# Altium PCB opu010_pcb.PcbDoc
Units mm, origin at the board's own origin, x right, y up, seen from the top; angles counter-clockwise.
Board outline 72 x 63 mm, 2 copper layers (Top Layer, Bottom Layer); 80 components, 69 nets, 303 pads, 340 vias.
Unrouted connection lines stored in the file: 69.
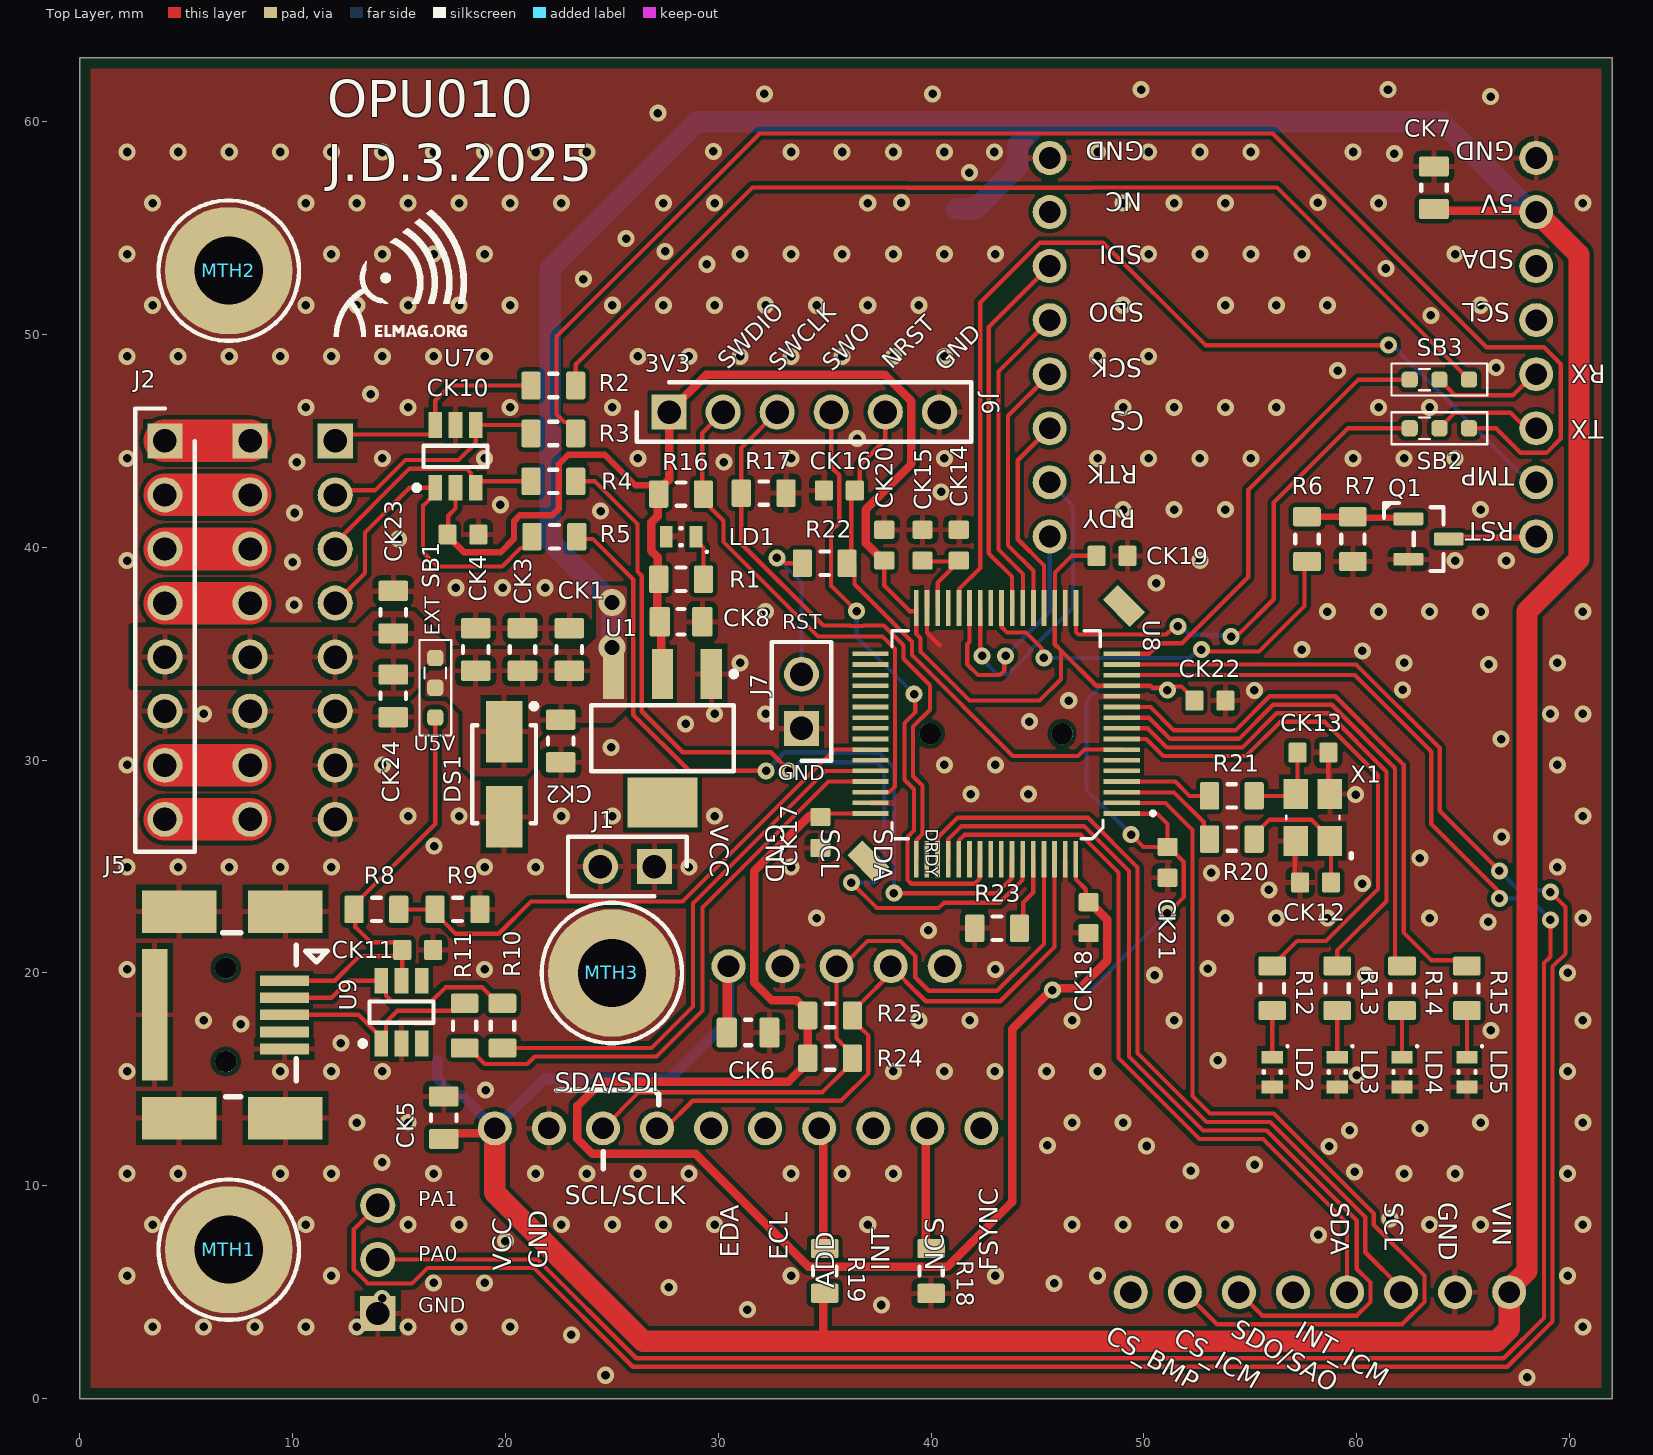
[diagram p0: Top Layer view]
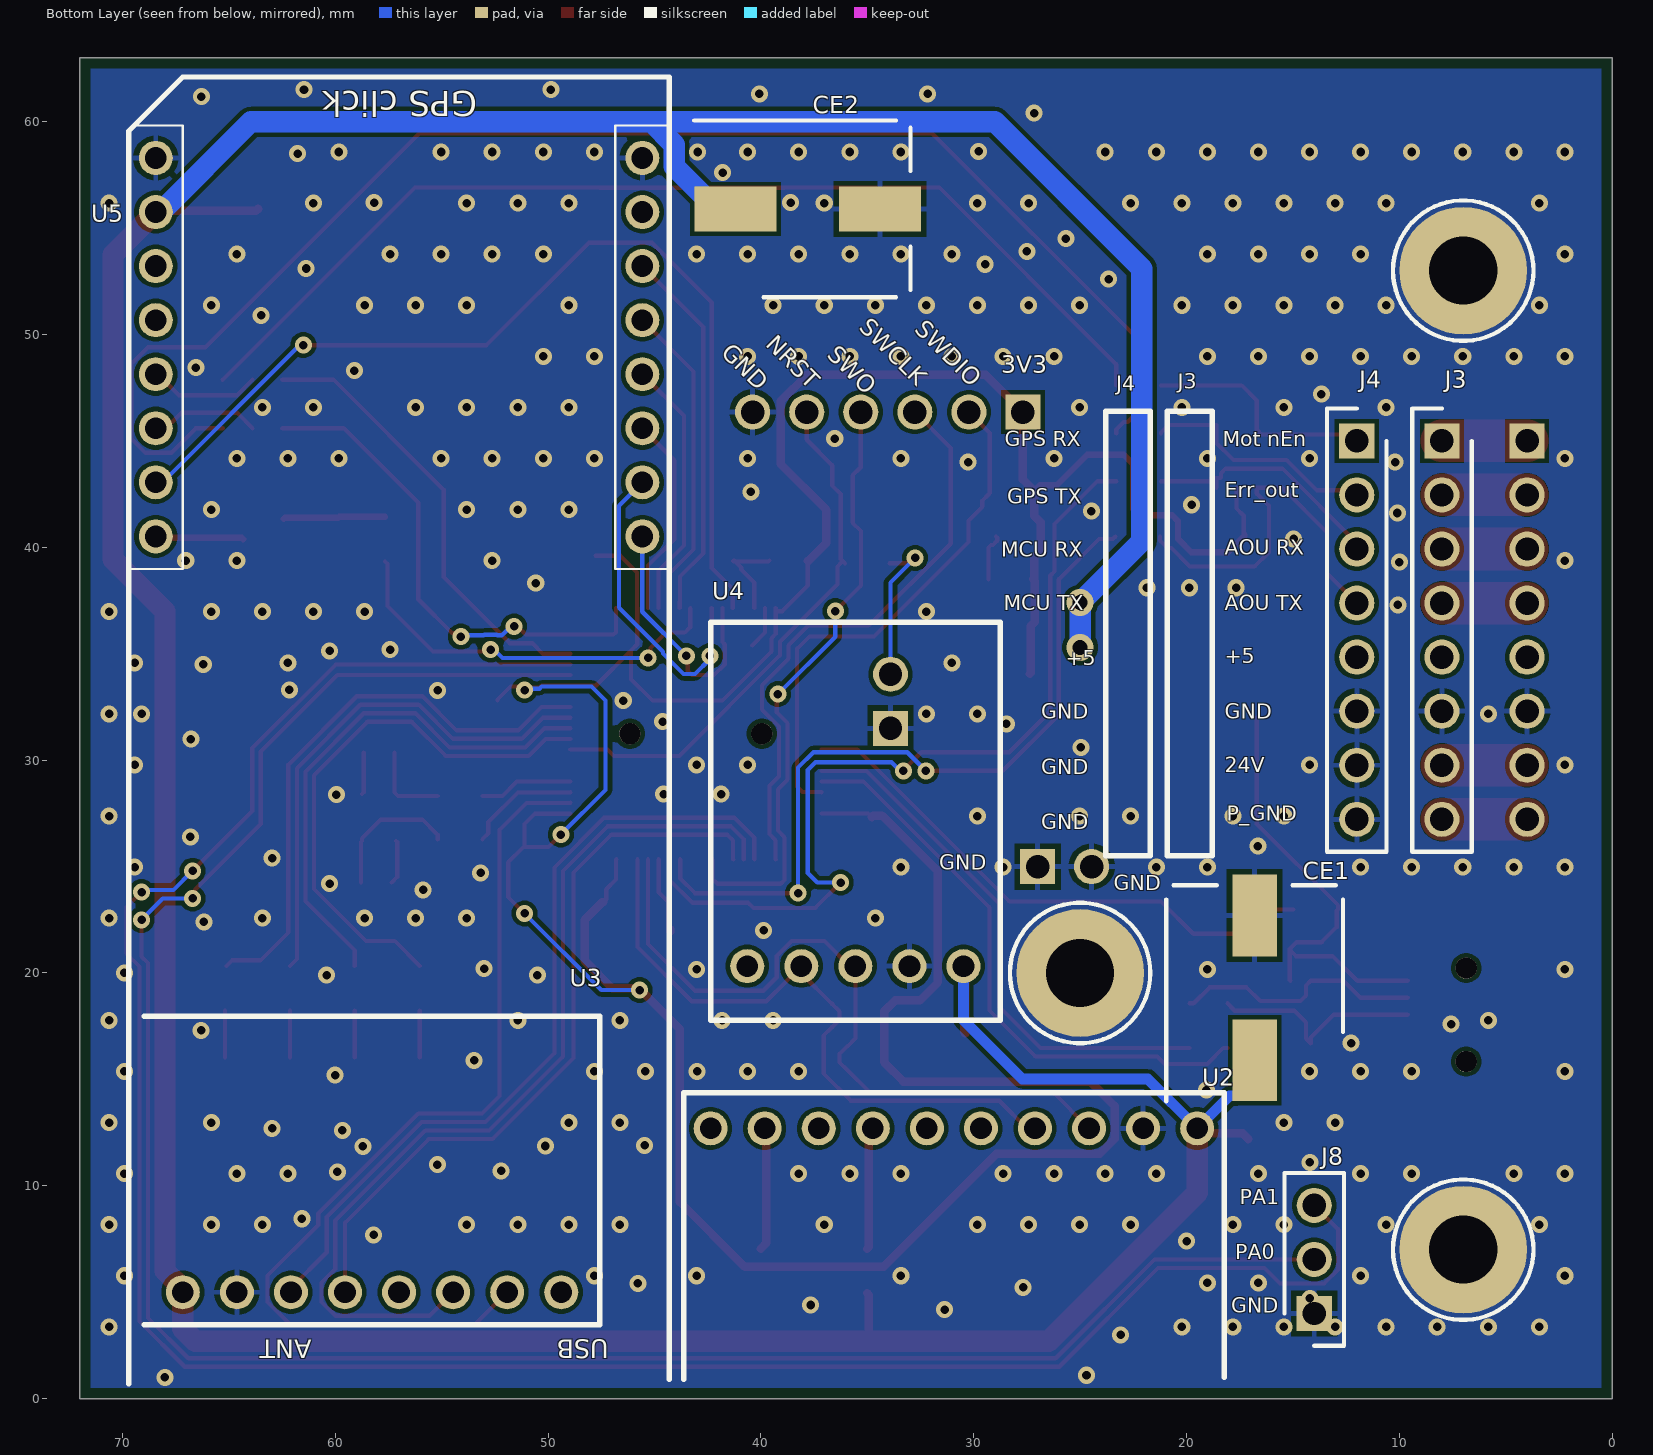
[diagram p1: Bottom Layer view, seen from below]
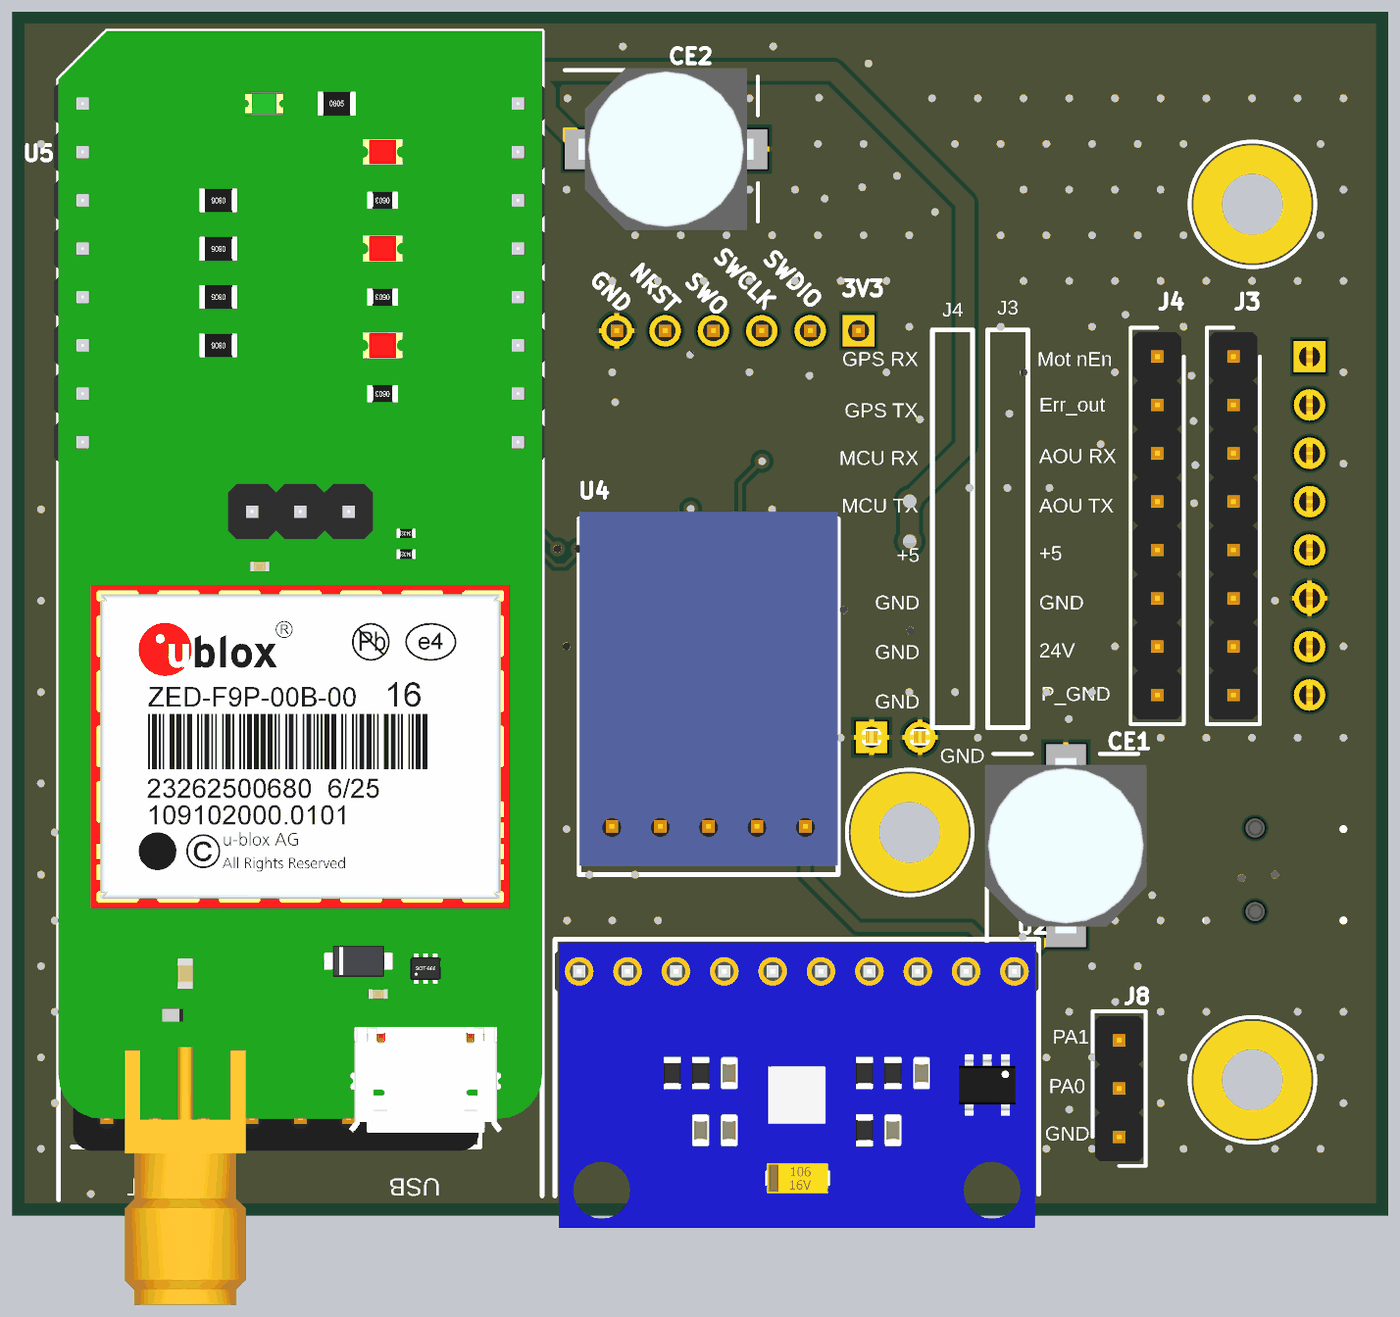
[diagram p2: 3D render of the assembled board from below, using the file's embedded part models]

## Layer stack, top to bottom
Top Solder: solder mask 0.0102, Solder Resist, Dk 3.5
Top Layer: signal copper 0.0356
Dielectric 1: dielectric 0.32, FR-4, Dk 4.8
Bottom Layer: signal copper 0.0356
Bottom Solder: solder mask 0.0102, Solder Resist, Dk 3.5

## Board outline
0,0 0,63 72,63 72,0

## Design rules (kind name [scope] priority, off if disabled: settings)
BoardOutlineClearance BoardOutlineClearance_1 [All] p1: gap=0.5 ignorepadtopadclearanceinfootprint=FALSE except(0.2: Text-OutlineEdge)
Clearance [All] p1: gap=0.2 ignorepadtopadclearanceinfootprint=FALSE
HoleSize [All] p1: absolutevalues=TRUE maxlimit=5 minlimit=0.025 maxpercent=80.000 minpercent=20.000
MinimumSolderMaskSliver [All] p1: minsoldermaskwidth=0.05
PolygonConnect [All] p1: connectstyle=Relief reliefconductorwidth=0.254 reliefentries=4 polygonreliefangle="90 Angle" airgapwidth=0.254
RoutingVias [All] p1: holewidth=0.4 width=0.8 viastyle="Through Hole" minholewidth=0.4 minwidth=0.8 maxholewidth=0.711 maxwidth=1.27
SilkToSilkClearance [All] p1: silktosilkclearance=0
SilkToSolderMaskClearance [IsPad] p1: minsilkscreentomaskgap=0.01 clearancetoexposedcopper=TRUE
SolderMaskExpansion [All] p1: expansion=0.102 istentingtop=FALSE
SupplyNets "Schematic Supply Nets_6" [InNet('U5V')] p1: voltage=0.000
SupplyNets "Schematic Supply Nets_5" [InNet('+5_ext')] p2: voltage=0.000
SupplyNets "Schematic Supply Nets_4" [InNet('P_GND')] p3: voltage=0.000
SupplyNets "Schematic Supply Nets_3" [InNet('+24V')] p4: voltage=0.000
SupplyNets "Schematic Supply Nets_2" [InNet('+5')] p5: voltage=0.000
SupplyNets "Schematic Supply Nets_1" [InNet('3V3')] p6: voltage=0.000
SupplyNets "Schematic Supply Nets" [InNet('GND')] p7: voltage=0.000
Width [All] p1: maxlimit=5 minlimit=0.2 preferedwidth=0.2
26 further rules are at their usual default settings.

## Classes and differential pairs
component class U_usb_conn: CK11 J5 R8 R9 R10 R11 U9
component class U_power_supply: CE1 CE2 CK1 CK2 CK3 CK4 CK8 DS1 LD1 R1 SB1 U1
component class U_miscellaneous: J1 MTH1 MTH2 MTH3
component class main: CK5 CK6 CK7 CK10 CK12 CK13 CK14 CK15 CK16 CK17 CK18 CK19 CK20 CK21 CK22 CK23 CK24 J2 J3 J4 J6 J7 J8 LD2 LD3 LD4 LD5 Q1 R2 R3 R4 R5 R6 R7 R12 R13 R14 R15 R16 R17 R18 R19 R20 R21 R22 R23 R24 R25 SB2 SB3 U2 U3 U4 U5 U7 U8 X1

## Components (designator, comment, footprint, x,y, rotation, side; value= is the part's Value field where it differs from the comment)
CE1 "100u" CAPAE830X1100N 16.8,19.3 r90 bottom
CE2 "100u" CAPAE830X1100N 37.8,55.9 r180 bottom
CK1 "10u" CAP0805 23,35.2 r90 top
CK2 "10u" CAP0805 22.6,30.9 r270 top
CK3 "10u" CAP0805 20.8,35.2 r90 top
CK4 "10u" CAP0805 18.6,35.2 r90 top
CK5 "10u" CAP0805 17.1,13.2 r90 top
CK6 "10u" CAP0805 31.4,17.2 r0 top
CK7 "10u" CAP0805 63.627,56.896 r90 top
CK8 "10u" CAP0805 28.25,36.5 r0 top
CK10 "100n" CAP0603 18,40.6 r0 top
CK11 "100n" CAP0603 15.875,21.082 r0 top
CK12 "12p" CAP0603 58.065,24.257 r180 top
CK13 "12p" CAP0603 57.938,30.353 r0 top
CK14 "2u2" CAP0603 41.3,40.1 r90 top
CK15 "2u2" CAP0603 39.6,40.1 r270 top
CK16 "2u2" CAP0603 35.687,42.672 r180 top
CK17 "100n" CAP0603 34.8,26.6 r270 top
CK18 "100n" CAP0603 47.4,22.6 r270 top
CK19 "100n" CAP0603 48.5,39.6 r0 top
CK20 "100n" CAP0603 37.8,40.1 r90 top
CK21 "100n" CAP0603 51.1,25.2 r270 top
CK22 "100n" CAP0603 53.1,32.8 r0 top
CK23 "10u" CAP0805 14.732,36.957 r90 top
CK24 "10u" CAP0805 14.732,33.02 r270 top
DS1 "B230A" DIOM4326X23M 19.939,29.337 r270 top
J1 "Header 2p F" "Pin header 2p - F" 27,25 r180 top locked
J2 "Header 8p F" "Pin header 8p - F" 4,45 r270 top locked
J3 "Header 8p" "Pin header 8p" 8,45 r270 bottom
J4 "Header 8p" "Pin header 8p" 12,45 r270 bottom
J5 "Mini USB" "USB B Mini horizontal" 7.112,18.034 r90 top
J6 "Header 6p" "Pin header 6p" 27.686,46.355 r0 top
J7 "Header 2p" "Pin header 2p" 33.909,31.496 r90 top
J8 "Header 3p" "Pin header 3p" 14,4 r90 bottom
LD1 "G" 0603_LED_G 28.25,40.5 r180 top
LD2 "Y" 0603_LED_Y 56.029,15.346 r270 top
LD3 "B" 0603_LED_B 59.077,15.346 r270 top
LD4 "G" 0603_LED_G 62.125,15.346 r270 top
LD5 "R" 0603_LED_R 65.173,15.346 r270 top
MTH1 "Hole" "3.2/6 MM" 7,7 r0 top locked
MTH2 "Hole" "3.2/6 MM" 7,53 r0 top locked
MTH3 "Hole" "3.2/6 MM" 25,20 r0 top locked
Q1 "2N7002" SOT95P230X110-3N(SOT23) 63.373,40.386 r0 top
R1 "1k" RESC2012X06N(SMR0805) 28.25,38.5 r0 top
R2 "100R" RESC2012X06N(SMR0805) 22.25,47.6 r0 top
R3 "100R" RESC2012X06N(SMR0805) 22.25,45.35 r0 top
R4 "100R" RESC2012X06N(SMR0805) 22.25,43.1 r0 top
R5 "100R" RESC2012X06N(SMR0805) 22.3,40.5 r0 top
R6 "1k" RESC2012X06N(SMR0805) 57.658,40.386 r270 top
R7 "100R" RESC2012X06N(SMR0805) 59.817,40.386 r90 top
R8 "4k7" RESC2012X06N(SMR0805) 13.936,22.987 r180 top
R9 "10k" RESC2012X06N(SMR0805) 17.746,22.987 r180 top
R10 "0R" RESC2012X06N(SMR0805) 19.858,17.526 r270 top
R11 "0R" RESC2012X06N(SMR0805) 18.08,17.526 r270 top
R12 "1k" RESC2012X06N(SMR0805) 56.029,19.283 r270 top
R13 "1k" RESC2012X06N(SMR0805) 59.077,19.283 r270 top
R14 "1k" RESC2012X06N(SMR0805) 62.125,19.283 r270 top
R15 "1k" RESC2012X06N(SMR0805) 65.173,19.283 r270 top
R16 "10k" RESC2012X06N(SMR0805) 28.25,42.5 r180 top
R17 "10k" RESC2012X06N(SMR0805) 32.131,42.545 r180 top
R18 "0R" RESC2012X06N(SMR0805) 40,6 r90 top
R19 "0R" RESC2012X06N(SMR0805) 35,6 r90 top
R20 "0R" RESC2012X06N(SMR0805) 54.128,26.289 r180 top
R21 "0R" RESC2012X06N(SMR0805) 54.128,28.321 r180 top
R22 "100R" RESC2012X06N(SMR0805) 35,39.25 r180 top
R23 "10k" RESC2012X06N(SMR0805) 43.1,22.1 r0 top
R24 "1k" RESC2012X06N(SMR0805) 35.25,16 r0 top
R25 "1k" RESC2012X06N(SMR0805) 35.25,18 r0 top
SB1 "0603 0R" "Solder T bridge 0603" 16.7,34.097 r90 top
SB2 "0603 0R" "Solder T bridge 0603" 63.184,45.593 r180 top
SB3 "0603 0R" "Solder T bridge 0603" 63.184,47.879 r180 top
U1 "AMS1117-3.3" SOT230P700X180-4M 27.375,31.024 r270 top
U2 "MPU9250/6500" "devboard MPU9250/6500" 30.93,7.62 r270 bottom locked
U3 "GY-912" "devboard GY-912" 58.27,3.476 r90 bottom
U4 "HMC5883L" "devboard HMC5883L" 35.56,17.78 r90 bottom locked
U5 "ZED-F9P" "devboard gnss rtk click" 57,18.923 r0 bottom locked
U7 "USBLC6-4SC6" SOT23-6 17.653,44.272 r90 top
U8 "STM32F401RCT6" LQFP64 43.053,31.242 r90 top locked
U9 "USBLC6-4SC6" SOT23-6 15.113,18.161 r90 top
X1 "16 MHz" "3225 XTal" 57.938,27.305 r90 top

## Footprints (in the part's own frame and the unit in brackets; to place one, negate y for a bottom-side part, rotate by r counter-clockwise, add the part's x,y. Pads: shape width x height; smd on the part's side, far side on the other; paste and mask are expansions set on the pad)
"3.2/6 MM" [mm]
  round 6 hole 3.2 mask+0.1: 1(0,0)
  silkscreen extent -3.3,-3.3 3.3,3.3, body extent -3,-3 3,3, height 0.1
0603_LED_B [mm] "Chip Diode, 2-Leads, Body 1,60x0,80mm, IPC Low Density"
  rect 0.6x1 smd: 1(-0.7,0) 2(0.7,0)
  silkscreen extent -1.26,-0.4 0.05,0.76, body extent -0.8,-0.4 0.8,0.4, height 0.8
0603_LED_G [mm] "Chip Diode, 2-Leads, Body 1,60x0,80mm, IPC Low Density"
  rect 0.6x1 smd: 1(-0.7,0) 2(0.7,0)
  silkscreen extent -1.26,-0.4 0.05,0.76, body extent -0.8,-0.4 0.8,0.4, height 0.8
0603_LED_R [mm] "Chip Diode, 2-Leads, Body 1,60x0,80mm, IPC Low Density"
  rect 0.6x1 smd: 1(-0.7,0) 2(0.7,0)
  silkscreen extent -1.26,-0.4 0.05,0.76, body extent -0.8,-0.4 0.8,0.4, height 0.8
0603_LED_Y [mm] "Chip Diode, 2-Leads, Body 1,60x0,80mm, IPC Low Density"
  rect 0.6x1 smd: 1(-0.7,0) 2(0.7,0)
  silkscreen extent -1.26,-0.4 0.05,0.76, body extent -0.8,-0.4 0.8,0.4, height 0.8
"3225 XTal" [mm]
  rect 1.4x1.15 smd: 1(-1.1,-0.8) 2(1.1,-0.8) 3(1.1,0.8) 4(-1.1,0.8)
  silkscreen extent -1.9,-1.8 0.1,1.25, body extent -1.69,-1.26 1.69,1.26, height 0.7
CAP0603 [mm]
  rrect20% 0.85x0.95 smd: 1(-0.725,0) 2(0.725,0)
  body extent -0.85,-0.45 0.85,0.45, height 0.9
CAP0805 [mm]
  rrect20% 0.95x1.4 smd: 1(-1,0) 2(1,0)
  silkscreen extent -0.15,-0.6 0.15,0.6, body extent -1.05,-0.67 1.05,0.67, height 1.45
CAPAE830X1100N [mm]
  rect 3.85x2.1 smd: 1(-3.4,0) 2(3.4,0)
  silkscreen extent -5.33,-4.15 4.83,4.15, body extent -4.6,-4.25 4.6,4.25, height 11
"devboard gnss rtk click" [mm]
  round 1.6 hole 1.02: 1(-11.43,-21.59) 2(-11.43,-24.13) 3(-11.43,-26.67) 4(-11.43,-29.21) 5(-11.43,-31.75) 6(-11.43,-34.29) 7(-11.43,-36.83) 8(-11.43,-39.37) 9(11.43,-39.37) 10(11.43,-36.83) 11(11.43,-34.29) 12(11.43,-31.75) 13(11.43,-29.21) 14(11.43,-26.67) 15(11.43,-24.13) 16(11.43,-21.59)
  silkscreen extent -12.7,-43.18 12.7,18.22, body extent -12.83,-43.18 12.95,23.73, height 18.81
"devboard GY-912" [mm]
  round 1.6 hole 1.02: 1(1.524,8.89) 2(1.524,6.35) 3(1.524,3.81) 4(1.524,1.27) 5(1.524,-1.27) 6(1.524,-3.81) 7(1.524,-6.35) 8(1.524,-8.89)
  silkscreen extent 0,-10.7 14.5,10.7, body extent -0.21,-10.66 15.19,10.67, height 8.89
"devboard HMC5883L" [mm]
  round 1.6 hole 1.02: 1(2.54,-5.08) 2(2.54,-2.54) 3(2.54,0) 4(2.54,2.54) 5(2.54,5.08)
  silkscreen extent 0,-6.8 18.7,6.8, body extent 0.48,-6.79 19.08,6.79, height 10.35
"devboard MPU9250/6500" [mm]
  round 1.6 hole 1.02: 1(-5.08,11.43) 2(-5.08,8.89) 3(-5.08,6.35) 4(-5.08,3.81) 5(-5.08,1.27) 6(-5.08,-1.27) 7(-5.08,-3.81) 8(-5.08,-6.35) 9(-5.08,-8.89) 10(-5.08,-11.43)
  silkscreen extent -6.76,-12.7 6.72,12.7, body extent -6.58,-12.7 8.42,12.7, height 12
DIOM4326X23M [mm] "Molded Diode, 2-Leads, Body 4,30x2,61mm, IPC Low Density"
  rect 2.9x1.7 smd: 1(-2,0) 2(2,0)
  silkscreen extent -3.32,-1.5 2.3,1.53, body extent -2.52,-1.46 2.52,1.46, height 2.3
LQFP64 [mm]
  rect 1x1.8 smd rot 135: 0(-6,6) 0(6,-6)
  round 1 hole 1 unplated: 0(0,3.1) 0(0,-3.1)
  rect 0.22x1.7 smd: 1(-3.747,-5.901) 2(-3.247,-5.901) 3(-2.747,-5.901) 4(-2.247,-5.901) 5(-1.747,-5.901) 6(-1.247,-5.901) 7(-0.747,-5.901) 8(-0.247,-5.901) 9(0.253,-5.901) 10(0.753,-5.901) 11(1.253,-5.901) 12(1.753,-5.901) 13(2.253,-5.901) 14(2.753,-5.901) 15(3.253,-5.901) 16(3.753,-5.901) 33(3.753,5.902) 34(3.253,5.902) 35(2.753,5.902) 36(2.253,5.902) 37(1.753,5.902) 38(1.253,5.902) 39(0.753,5.902) 40(0.253,5.902) 41(-0.247,5.902) 42(-0.747,5.902) 43(-1.247,5.902) 44(-1.747,5.902) 45(-2.247,5.902) 46(-2.747,5.902) 47(-3.247,5.902) 48(-3.747,5.901)
  rect 1.7x0.22 smd: 17(5.901,-3.753) 18(5.901,-3.253) 19(5.901,-2.753) 20(5.901,-2.253) 21(5.901,-1.753) 22(5.901,-1.253) 23(5.901,-0.753) 24(5.901,-0.253) 25(5.901,0.247) 26(5.901,0.747) 27(5.901,1.247) 28(5.901,1.747) 29(5.901,2.247) 30(5.901,2.747) 31(5.901,3.247) 32(5.901,3.747) 49(-5.902,3.753) 50(-5.902,3.253) 51(-5.902,2.753) 52(-5.902,2.253) 53(-5.902,1.753) 54(-5.902,1.253) 55(-5.902,0.753) 56(-5.902,0.253) 57(-5.902,-0.247) 58(-5.902,-0.747) 59(-5.902,-1.247) 60(-5.902,-1.747) 61(-5.902,-2.247) 62(-5.902,-2.746) 63(-5.902,-3.246) 64(-5.902,-3.746)
  silkscreen extent -4.94,-7.42 4.84,4.89, body extent -6.07,-6.07 6.07,6.07, height 1.6
"Pin header 2p" [mm]
  rect 1.65x1.65 hole 1.1: 1(0,0)
  round 1.65 hole 1.1: 2(2.54,0)
  silkscreen extent -1.52,-1.4 4.06,1.4, body extent -1.27,-1.27 3.81,1.27, height 8.61
"Pin header 2p - F" [mm]
  rect 1.65x1.65 hole 1.1: 1(0,0)
  round 1.65 hole 1.1: 2(2.54,0)
  silkscreen extent -1.52,-1.4 4.06,1.4, body extent -1.27,-1.27 3.81,1.27, height 8.5
"Pin header 3p" [mm]
  rect 1.65x1.65 hole 1.1: 1(0,0)
  round 1.65 hole 1.1: 2(2.54,0) 3(5.08,0)
  silkscreen extent -1.52,-1.4 6.6,1.4, body extent -1.27,-1.27 6.35,1.27, height 8.89
"Pin header 6p" [mm]
  rect 1.65x1.65 hole 1.1: 1(0,0)
  round 1.65 hole 1.1: 2(2.54,0) 3(5.08,0) 4(7.62,0) 5(10.16,0) 6(12.7,0)
  silkscreen extent -1.52,-1.4 14.2,1.4, body extent -1.27,-1.27 13.97,1.27, height 8.89
"Pin header 8p" [mm]
  rect 1.65x1.65 hole 1.1: 1(0,0)
  round 1.65 hole 1.1: 2(2.54,0) 3(5.08,0) 4(7.62,0) 5(10.16,0) 6(12.7,0) 7(15.24,0) 8(17.78,0)
  silkscreen extent -1.52,-1.4 19.3,1.4, body extent -1.27,-1.27 19.05,1.27, height 8.89
"Pin header 8p - F" [mm]
  rect 1.65x1.65 hole 1.1: 1(0,0)
  round 1.65 hole 1.1: 2(2.54,0) 3(5.08,0) 4(7.62,0) 5(10.16,0) 6(12.7,0) 7(15.24,0) 8(17.78,0)
  silkscreen extent -1.52,-1.4 19.3,1.4, body extent -1.27,-1.27 19.05,1.27, height 8.5
RESC2012X06N(SMR0805) [mm] "Chip Resistor, 2-Leads, Body 2,00x1,25mm, IPC Medium Density"
  rrect20% 0.9x1.3 smd: 1(-1.05,0) 2(1.05,0)
  silkscreen extent -0.2,-0.55 0.2,0.55, body extent -1.1,-0.7 1.1,0.7, height 0.6
"Solder T bridge 0603" [mil]
  rrect50% 30x30 smd: 1(-82.44,0) 2(-27.44,0) 3(27.56,0)
  silkscreen extent -116,-30 61,29, body extent -34,-18 34,18, height 22
SOT23-6 [mm] "SOT23, 6-Leads, Body 2,90x2,80mm, Pitch 0,95mm, IPC Low Density"
  rect 1.2x0.65 smd: 1(-1.475,0.95) 2(-1.475,0) 3(-1.475,-0.95) 4(1.475,-0.95) 5(1.475,0) 6(1.475,0.95)
  silkscreen extent -1.6,-1.5 0.5,1.95, body extent -1.6,-1.5 1.6,1.5, height 1.45
SOT95P230X110-3N(SOT23) [mm]
  rrect20% 1.4x0.6 smd: 1(-0.95,0.95) 2(-0.95,-0.95) 3(0.95,0)
  silkscreen extent -2.1,-1.5 0.7,1.7, body extent -1.4,-1.45 1.4,1.45, height 1.3
SOT230P700X180-4M [mm] "SOT223, 4-Leads, Body 6,50x7,00mm (avg), Pitch 2,30mm, IPC Low Density"
  rect 2.35x1 smd: 1(-3.025,2.3) 2(-3.025,0) 3(-3.025,-2.3)
  rect 2.35x3.3 smd: 4(3.025,0)
  silkscreen extent -3.15,-3.35 1.55,3.48, body extent -3.5,-3.35 3.5,3.35, height 1.8
"USB B Mini horizontal" [mm]
  round 1 hole 1 unplated: 0(-2.197,0.25) 0(2.197,0.25)
  rect 0.508x2.3 smd: 1(1.6,-2.5) 2(0.8,-2.5) 3(0,-2.5) 4(-0.8,-2.5) 5(-1.6,-2.5)
  rect 2x3.5 smd: 6(-4.85,-2.55) 6(-4.85,2.45) 6(4.85,-2.55) 6(4.85,2.45)